# Altium PCB 电解水杯拼版6in1.PcbDoc (part 5 of 9) (continued)
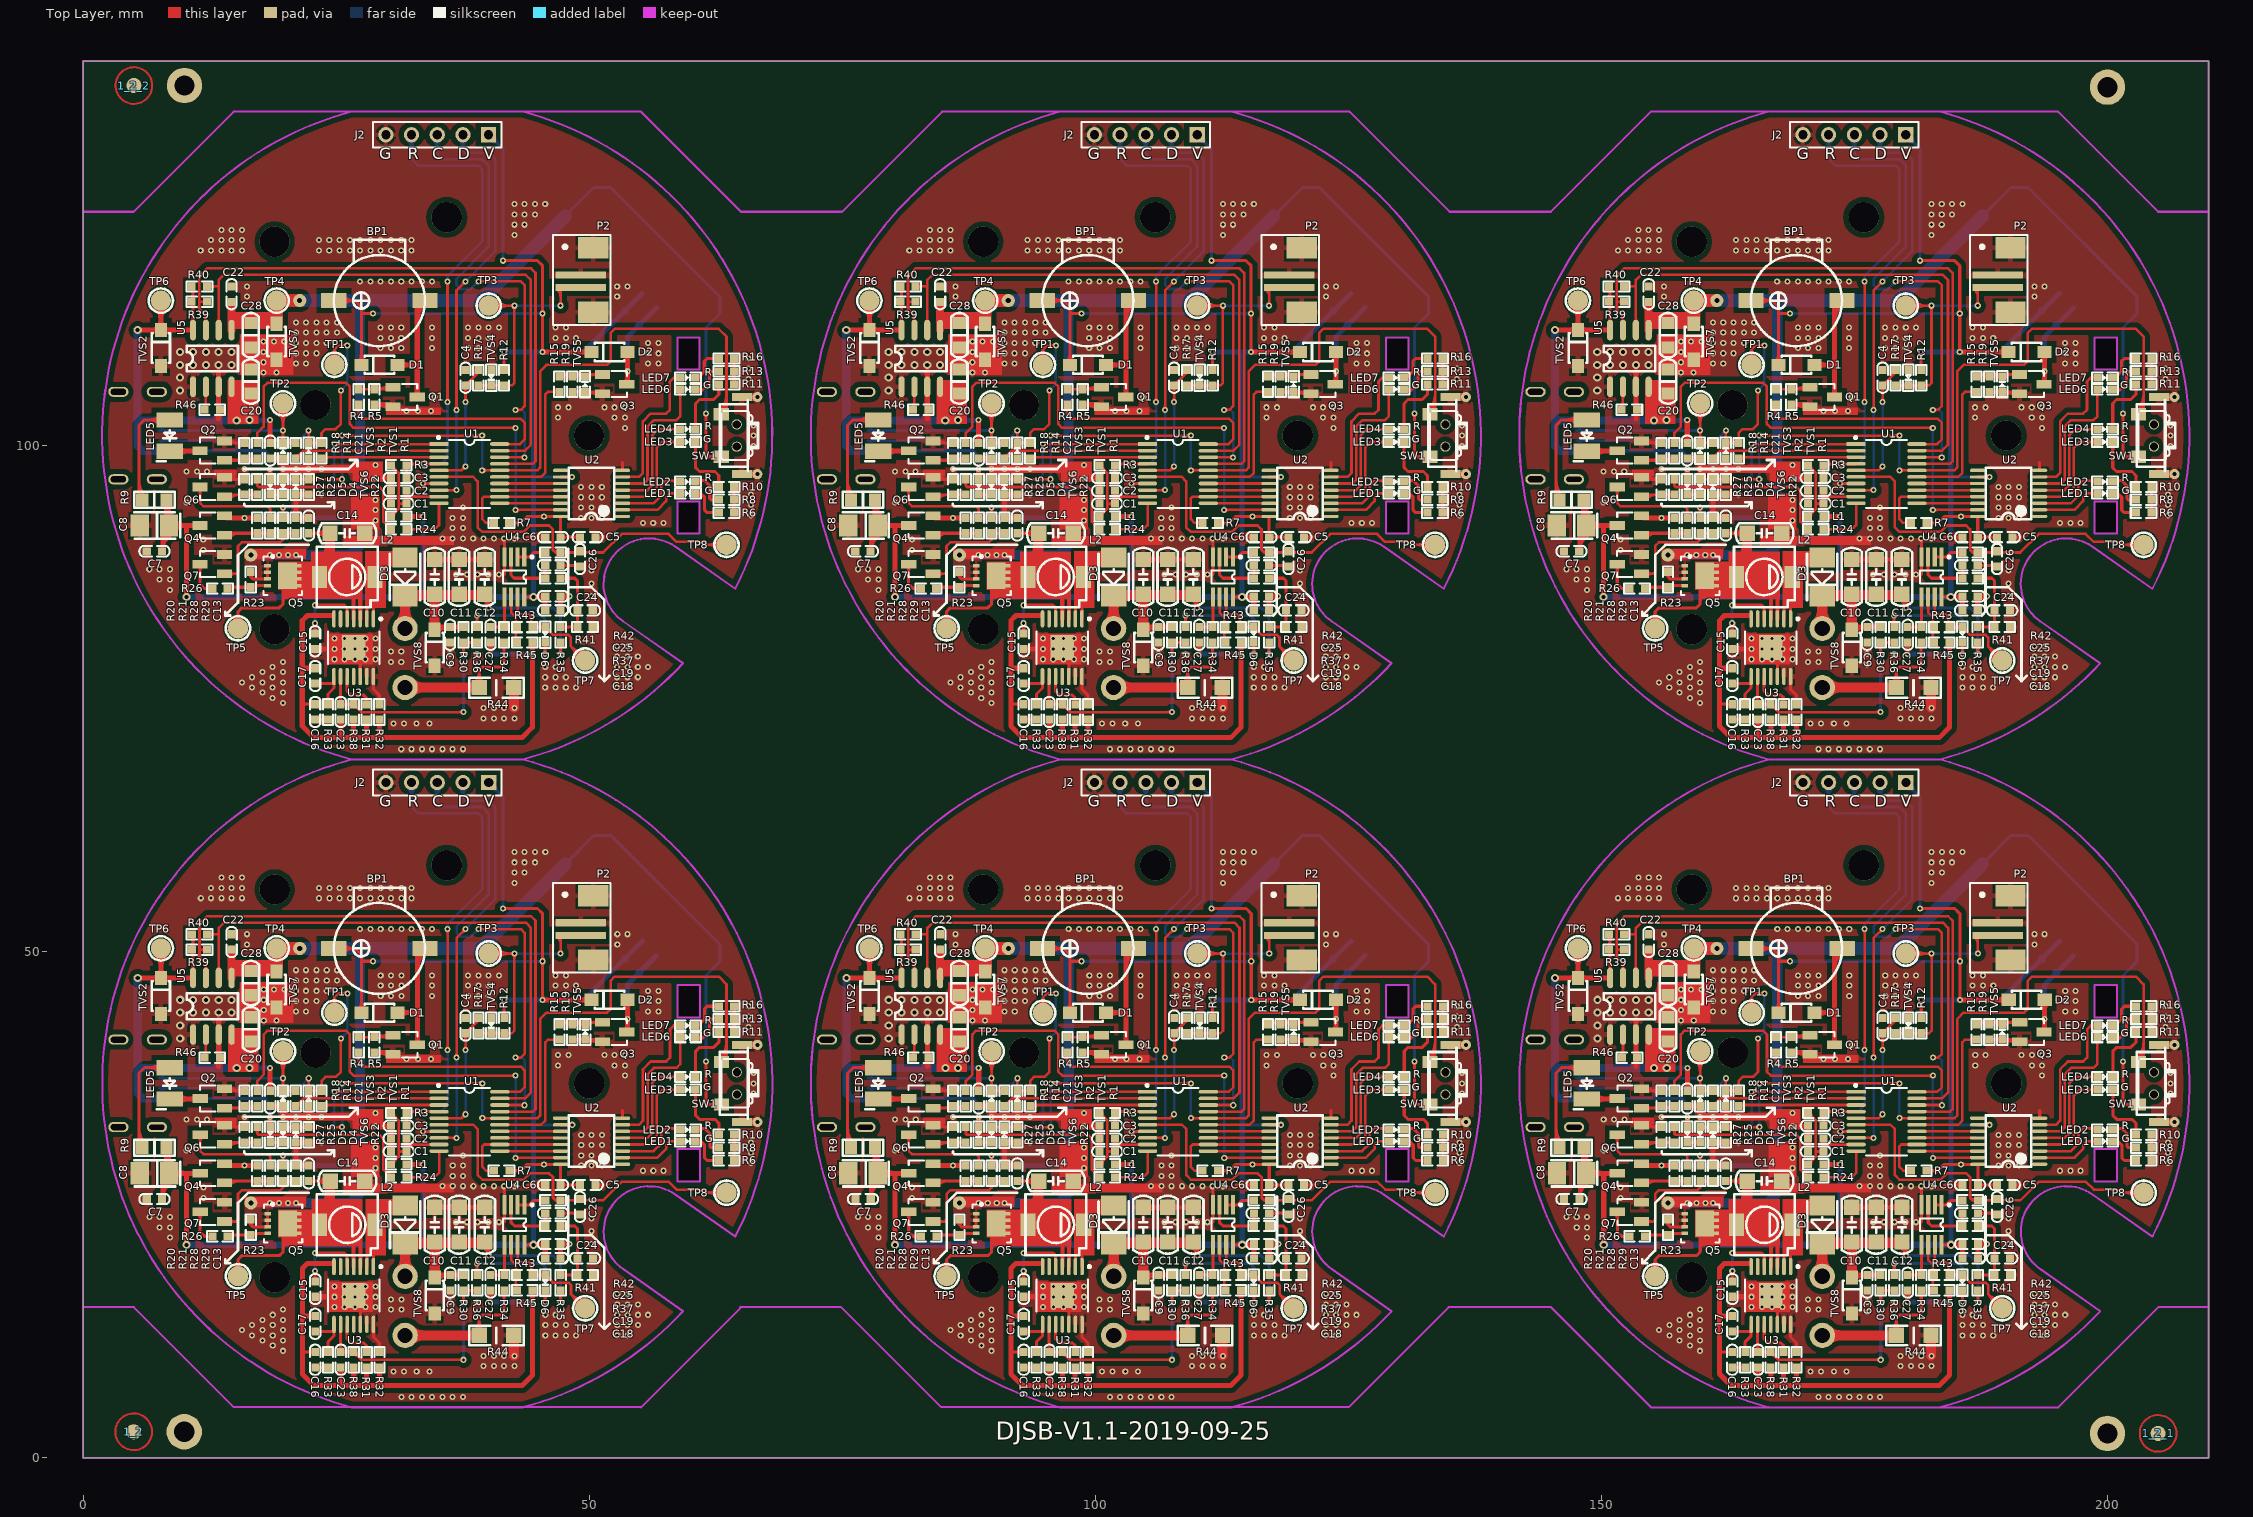
[diagram p0: Top Layer view]
## Nets (pads, with @x,y where several pads share a name; then routed paths per layer and width w, separated by ;. In a path a pad name is that pad's centre, name@x,y a point inside that pad or via, vN(x,y) a via of type N, cw(c..) or ccw(c..) an arc to the next point about the centre after c; other vN are vias at no path point) (continued)
cw(c45.108,15.977) 45.665,15.977 cw(c46.223,15.977) 45.829,16.371 ; 45.502,23.067 ccw(c45.108,23.461) 45.665,23.461 ccw(c46.223,23.461) 45.829,23.067 ; 45.502,24.01 cw(c45.108,23.616) 45.665,23.616 cw(c46.223,23.616) 45.829,24.01 ; v1@45.554,79.517 ccw(c45.298,79.773) 45.66,79.773 ccw(c46.022,79.773) v1@45.766,79.517 ; v1@45.559,15.517 ccw(c45.303,15.773) 45.665,15.773 ccw(c46.027,15.773) v1@45.771,15.517 ; v1@45.639,92.893 cw(c45.895,92.637) 45.895,92.999 cw(c45.895,93.361) v1@45.639,93.105 ; v1@45.645,28.893 cw(c45.901,28.637) 45.901,28.999 cw(c45.901,29.361) v1@45.645,29.105 ; v1(45.66,79.411) 45.66,80.554 ; v1@45.66,92.999 46.803,92.999 ; v1(45.665,15.411) 45.665,16.554 ; v1@45.666,28.999 46.809,28.999 ; 47.02,80.371 cw(c46.626,79.977) 47.184,79.977 cw(c47.742,79.977) 47.347,80.371 ; 47.021,91.131 ccw(c46.626,91.525) 47.184,91.525 ccw(c47.742,91.525) 47.347,91.131 ; 47.026,16.371 cw(c46.632,15.977) 47.189,15.977 cw(c47.747,15.977) 47.353,16.371 ; 47.026,27.131 ccw(c46.632,27.525) 47.19,27.525 ccw(c47.747,27.525) 47.353,27.131 ; v1@47.078,79.517 ccw(c46.822,79.773) 47.184,79.773 ccw(c47.546,79.773) v1@47.29,79.517 ; v1@47.083,15.517 ccw(c46.827,15.773) 47.189,15.773 ccw(c47.551,15.773) v1@47.295,15.517 ; 47.163,96.91 v1(48.327,96.91) ; 47.169,32.91 v1(48.333,32.91) ; v1(47.184,79.411) 47.184,80.554 ; 47.184,82.078 48.835,82.078 48.835,83.729 48.835,86.65 48.581,86.904 47.184,86.904 ; 47.184,88.174 49.216,88.174 ; 47.184,92.999 47.184,90.967 49.089,90.967 ; v1(47.189,15.411) 47.189,16.554 ; 47.189,18.078 48.84,18.078 48.84,19.729 48.84,22.65 48.586,22.904 47.189,22.904 ; 47.189,24.174 49.222,24.174 ; 47.19,28.999 47.19,26.967 49.095,26.967 ; 47.347,81.914 cw(c47.742,81.52) 47.742,82.078 cw(c47.742,82.635) 47.347,82.241 ; 47.353,17.914 cw(c47.747,17.52) 47.747,18.078 cw(c47.747,18.635) 47.353,18.241 ; 47.366,86.74 cw(c47.761,86.346) 47.761,86.904 cw(c47.761,87.461) 47.366,87.067 ; 47.366,88.01 cw(c47.761,87.616) 47.761,88.174 cw(c47.761,88.731) 47.366,88.337 ; 47.366,90.804 cw(c47.76,90.41) 47.76,90.967 cw(c47.761,91.525) 47.366,91.131 ; 47.372,22.74 cw(c47.766,22.346) 47.766,22.904 cw(c47.766,23.461) 47.372,23.067 ; 47.372,24.01 cw(c47.766,23.616) 47.766,24.174 cw(c47.766,24.731) 47.372,24.337 ; 47.372,26.804 cw(c47.766,26.41) 47.766,26.967 ; 47.372,27.131 ccw(c47.767,27.525) 47.767,26.967 ; v1@48.221,96.804 ccw(c47.965,96.548) 47.965,96.91 ccw(c47.965,97.272) v1@48.221,97.016 ; v1@48.226,32.804 ccw(c47.97,32.548) 47.97,32.91 ccw(c47.97,33.272) v1@48.226,33.016 ; 48.269,88.174 cw(c48.269,87.245) 48.926,87.902 ; 48.275,24.174 cw(c48.275,23.245) 48.931,23.902 ; 48.327,105.318 49.597,105.318 51.13,105.318 ; 48.333,41.318 49.603,41.318 51.136,41.318 ; 48.49,105.155 cw(c48.885,104.76) 48.885,105.318 cw(c48.885,105.876) 48.49,105.481 ; 48.496,41.155 cw(c48.89,40.76) 48.89,41.318 cw(c48.89,41.876) 48.496,41.481 ; 48.652,81.914 ccw(c48.258,81.52) 48.258,82.078 ccw(c48.258,82.635) 48.652,82.241 ; 48.658,17.914 ccw(c48.264,17.52) 48.264,18.078 ccw(c48.264,18.635) 48.658,18.241 ; 48.671,82.241 ccw(c48.277,82.635) 48.835,82.635 ccw(c49.393,82.635) 48.998,82.241 ; 48.671,83.565 cw(c48.277,83.171) 48.835,83.171 cw(c49.393,83.171) 48.998,83.565 ; 48.671,83.892 ccw(c48.277,84.286) 48.835,84.286 ccw(c49.393,84.286) 48.998,83.892 ; 48.677,18.241 ccw(c48.283,18.635) 48.84,18.635 ccw(c49.398,18.635) 49.004,18.241 ; 48.677,19.565 cw(c48.283,19.171) 48.84,19.171 cw(c49.398,19.171) 49.004,19.565 ; 48.677,19.892 ccw(c48.283,20.286) 48.84,20.286 ccw(c49.398,20.286) 49.004,19.892 ; 48.907,90.804 ccw(c48.512,90.409) 48.512,90.967 ccw(c48.512,91.525) 48.907,91.13 ; 48.912,26.804 ccw(c48.518,26.409) 48.518,26.967 ccw(c48.518,27.525) 48.912,27.13 ; 49.434,105.155 ccw(c49.039,104.76) 49.039,105.318 ccw(c49.039,105.876) 49.434,105.481 ; 49.439,41.155 ccw(c49.045,40.76) 49.045,41.318 ccw(c49.045,41.876) 49.439,41.481 ; 49.713,105.099 cw(c50.146,104.349) 50.37,105.185 ; 49.718,41.099 cw(c50.151,40.349) 50.375,41.185 ; 49.76,105.155 cw(c50.155,104.76) 50.155,105.318 cw(c50.155,105.876) 49.76,105.481 ; 49.766,41.155 cw(c50.16,40.76) 50.16,41.318 cw(c50.16,41.876) 49.766,41.481 ; 49.875,105.318 cw(c49.875,104.012) 50.799,104.936 ; 49.881,41.318 cw(c49.881,40.012) 50.804,40.936 ; 50.6,105.318 cw(c50.6,104.736) 51.011,105.148 ; 50.605,41.318 cw(c50.605,40.736) 51.016,41.148 ; 50.613,90.967 51.756,90.967 ; 50.619,26.967 51.762,26.967 ; 50.795,90.804 cw(c51.19,90.409) 51.19,90.967 cw(c51.19,91.525) 50.795,91.13 ; 50.801,26.804 cw(c51.195,26.409) 51.195,26.967 cw(c51.195,27.525) 50.801,27.13 ; 53.301,97.56 53.301,98.312 ; 53.307,33.56 53.307,34.312 ; 60.356,100.202 cw(c59.961,99.807) 60.519,99.807 cw(c61.077,99.807) 60.682,100.202 ; 60.356,101.798 ccw(c59.961,102.193) 60.519,102.193 ccw(c61.077,102.193) 60.682,101.798 ; 60.361,36.202 cw(c59.967,35.807) 60.525,35.807 cw(c61.082,35.807) 60.688,36.202 ; 60.361,37.798 ccw(c59.967,38.193) 60.525,38.193 ccw(c61.082,38.193) 60.688,37.798 ; 60.513,95.349 cw(c60.706,94.853) 61.083,95.229 ; 60.519,31.349 cw(c60.711,30.853) 61.088,31.229 ; 60.519,95.285 61.027,95.285 ; 60.519,96.555 61.408,96.555 61.916,96.047 61.916,94.777 62.043,94.65 62.805,94.65 ; 60.519,100.365 60.519,97.825 60.9,97.444 62.424,97.444 62.805,97.063 62.805,95.92 ; 60.519,101.635 60.519,104.175 60.9,104.556 62.297,104.556 62.805,105.064 62.805,106.08 ; 60.519,105.445 61.154,105.445 ; 60.519,106.715 60.768,106.715 61.373,107.32 61.373,108.331 61.662,108.62 62.805,108.62 ; 60.525,31.285 61.033,31.285 ; 60.525,32.555 61.414,32.555 61.922,32.047 61.922,30.777 62.049,30.65 62.811,30.65 ; 60.525,36.365 60.525,33.825 60.906,33.444 62.43,33.444 62.811,33.063 62.811,31.92 ; 60.525,37.635 60.525,40.175 60.906,40.556 62.303,40.556 62.811,41.064 62.811,42.08 ; 60.525,41.445 61.16,41.445 ; 60.525,42.715 60.774,42.715 61.379,43.32 61.379,44.331 61.668,44.62 62.811,44.62 ; 60.622,95.07 cw(c60.888,94.384) 61.408,94.904 ; 60.627,31.07 cw(c60.893,30.384) 61.414,30.904 ; 60.701,96.265 cw(c61.402,95.564) 61.402,96.555 ; 60.707,32.265 cw(c61.408,31.564) 61.408,32.555 ; 60.717,95.138 cw(c61.027,94.883) 61.027,95.285 ; 60.717,95.432 ccw(c61.027,95.687) 61.027,95.285 ; 60.722,31.138 cw(c61.033,30.883) 61.033,31.285 ; 60.722,31.432 ccw(c61.033,31.687) 61.033,31.285 ; 60.739,105.686 ccw(c61.154,105.923) 61.154,105.445 ; 60.744,41.686 ccw(c61.16,41.923) 61.16,41.445 ; v1@61.429,103.053 cw(c61.173,102.797) 61.535,102.797 cw(c61.897,102.797) v1@61.641,103.053 ; v1@61.434,39.053 cw(c61.178,38.797) 61.541,38.797 cw(c61.903,38.797) v1@61.647,39.053 ; v1(61.535,103.159) 61.535,99.222 61.856,98.901 ; v1(61.541,39.159) 61.541,35.222 61.862,34.901 ; 62.583,98.59 ccw(c61.856,97.895) 61.856,98.901 ; 62.583,99.212 cw(c61.856,99.906) 61.856,98.901 ; 62.589,34.59 ccw(c61.862,33.895) 61.862,34.901 ; 62.589,35.212 cw(c61.862,35.906) 61.862,34.901 ; 62.623,93.217 ccw(c62.228,92.822) 62.228,93.38 ccw(c62.228,93.938) 62.623,93.543 ; 62.623,94.487 ccw(c62.228,94.092) 62.228,94.65 ccw(c62.228,95.208) 62.623,94.813 ; 62.623,107.187 ccw(c62.228,106.792) 62.228,107.35 ccw(c62.228,107.908) 62.623,107.513 ; 62.623,108.457 ccw(c62.228,108.062) 62.228,108.62 ccw(c62.228,109.178) 62.623,108.783 ; 62.628,29.217 ccw(c62.234,28.822) 62.234,29.38 ccw(c62.234,29.938) 62.628,29.543 ; 62.628,30.487 ccw(c62.234,30.092) 62.234,30.65 ccw(c62.234,31.208) 62.628,30.813 ; 62.628,43.187 ccw(c62.234,42.792) 62.234,43.35 ccw(c62.234,43.908) 62.628,43.513 ; 62.628,44.457 ccw(c62.234,44.062) 62.234,44.62 ccw(c62.234,45.178) 62.628,44.783 ; 62.642,96.083 ccw(c62.247,96.478) 62.805,96.478 ccw(c63.363,96.478) 62.968,96.083 ; 62.642,105.917 cw(c62.247,105.522) 62.805,105.522 cw(c63.363,105.522) 62.968,105.917 ; 62.647,32.083 ccw(c62.253,32.478) 62.811,32.478 ccw(c63.368,32.478) 62.974,32.083 ; 62.647,41.917 cw(c62.253,41.522) 62.811,41.522 cw(c63.368,41.522) 62.974,41.917 ; 62.805,93.38 61.662,93.38 61.408,93.634 61.408,94.904 ; 62.805,107.35 62.043,107.35 61.873,107.18 61.873,106.164 61.154,105.445 ; 62.811,29.38 61.668,29.38 61.414,29.634 61.414,30.904 ; 62.811,43.35 62.049,43.35 61.879,43.18 61.879,42.164 61.16,41.445 ; 63.059,98.901 61.856,98.901 ; 63.059,103.101 63.382,103.101 63.567,103.286 ; 63.064,34.901 61.862,34.901 ; 63.064,39.101 63.387,39.101 63.573,39.286 ; 64.166,93.543 ccw(c63.771,93.938) 64.329,93.938 ccw(c64.887,93.938) 64.492,93.543 ; 64.166,94.487 cw(c63.771,94.092) 64.329,94.092 cw(c64.887,94.092) 64.492,94.487 ; 64.166,94.813 ccw(c63.771,95.208) 64.329,95.208 ccw(c64.887,95.208) 64.492,94.813 ; 64.166,95.757 cw(c63.771,95.362) 64.329,95.362 cw(c64.887,95.362) 64.492,95.757 ; 64.166,106.243 ccw(c63.771,106.638) 64.329,106.638 ccw(c64.887,106.638) 64.492,106.243 ; 64.166,107.187 cw(c63.771,106.792) 64.329,106.792 cw(c64.887,106.792) 64.492,107.187 ; 64.166,107.513 ccw(c63.771,107.908) 64.329,107.908 ccw(c64.887,107.908) 64.492,107.513 ; 64.166,108.457 cw(c63.771,108.062) 64.329,108.062 cw(c64.887,108.062) 64.492,108.457 ; 64.171,29.543 ccw(c63.777,29.938) 64.335,29.938 ccw(c64.892,29.938) 64.498,29.543 ; 64.171,30.487 cw(c63.777,30.092) 64.335,30.092 cw(c64.892,30.092) 64.498,30.487 ; 64.171,30.813 ccw(c63.777,31.208) 64.335,31.208 ccw(c64.892,31.208) 64.498,30.813 ; 64.171,31.757 cw(c63.777,31.362) 64.335,31.362 cw(c64.892,31.362) 64.498,31.757 ; 64.171,42.243 ccw(c63.777,42.638) 64.335,42.638 ccw(c64.892,42.638) 64.498,42.243 ; 64.171,43.187 cw(c63.777,42.792) 64.335,42.792 cw(c64.892,42.792) 64.498,43.187 ; 64.171,43.513 ccw(c63.777,43.908) 64.335,43.908 ccw(c64.892,43.908) 64.498,43.513 ; 64.171,44.457 cw(c63.777,44.062) 64.335,44.062 cw(c64.892,44.062) 64.498,44.457 ; 64.329,93.38 64.329,94.65 64.329,95.92 ; 64.329,106.08 64.329,107.35 64.329,108.62 ; 64.335,29.38 64.335,30.65 64.335,31.92 ; 64.335,42.08 64.335,43.35 64.335,44.62 ; 75.528,95.829 ccw(c76.996,95.829) 75.958,94.791 ; 75.528,96.554 ccw(c77.721,96.554) 76.17,95.003 ; 75.534,31.829 ccw(c77.002,31.829) 75.964,30.791 ; 75.534,32.554 ccw(c77.726,32.554) 76.176,31.003 ; 75.852,94.65 75.528,94.974 75.528,102.016 76.062,102.55 78.554,102.55 ; 75.858,30.65 75.534,30.974 75.534,38.016 76.068,38.55 78.559,38.55 ; 77.58,102.126 ccw(c76.555,101.101) 76.555,102.55 ccw(c76.555,103.999) 77.58,102.974 ; 77.585,38.126 ccw(c76.561,37.101) 76.561,38.55 ccw(c76.561,39.999) 77.585,38.974 ; 77.651,89.733 ccw(c77.256,90.128) 77.814,90.128 ccw(c78.372,90.128) 77.977,89.733 ; 77.656,25.733 ccw(c77.262,26.128) 77.82,26.128 ccw(c78.377,26.128) 77.983,25.733 ; 77.814,89.471 cw(c79.851,89.471) 78.865,91.254 ; 77.814,89.57 77.814,91.422 ; 77.814,89.98 cw(c79.57,89.98) 78.72,91.516 ; 77.814,90.489 cw(c79.288,90.489) 78.575,91.779 ; 77.814,90.998 cw(c79.007,90.998) 78.429,92.041 ; 77.82,25.471 cw(c79.857,25.471) 78.871,27.254 ; 77.82,25.57 77.82,27.422 ; 77.82,25.98 cw(c79.575,25.98) 78.725,27.516 ; 77.82,26.489 cw(c79.294,26.489) 78.58,27.779 ; 77.82,26.998 cw(c79.012,26.998) 78.435,28.041 ; 80.591,114.045 cw(c79.936,113.39) 80.862,113.39 ; 80.591,114.371 ccw(c79.936,115.026) 80.862,115.026 ; 80.591,115.569 cw(c79.936,114.914) 80.862,114.914 ; 80.596,50.045 cw(c79.941,49.39) 80.868,49.39 ; 80.596,50.371 ccw(c79.941,51.026) 80.868,51.026 ; 80.596,51.569 cw(c79.941,50.914) 80.868,50.914 ; 80.753,112.235 ccw(c80.488,112.499) 80.862,112.499 ccw(c81.236,112.499) 80.972,112.235 ; 80.758,48.235 ccw(c80.494,48.499) 80.868,48.499 ccw(c81.241,48.499) 80.977,48.235 ; 80.862,111.414 80.862,115.605 ; 80.868,47.414 80.868,51.605 ; 81.373,88.106 cw(c80.903,87.636) 81.567,87.636 cw(c82.231,87.636) 81.762,88.106 ; 81.378,24.106 cw(c80.909,23.636) 81.573,23.636 cw(c82.236,23.636) 81.767,24.106 ; 81.567,88.3 81.567,86.325 82.005,85.887 82.767,85.887 ; 81.573,24.3 81.573,22.325 82.011,21.887 82.773,21.887 ; 82.585,85.724 ccw(c82.19,85.329) 82.19,85.887 ccw(c82.19,86.445) 82.585,86.05 ; 82.59,21.724 ccw(c82.196,21.329) 82.196,21.887 ccw(c82.196,22.445) 82.59,22.05 ; 83.967,98.561 87.024,98.561 ; 83.973,34.561 87.03,34.561 ; 84.154,96.683 85.942,96.683 ; 84.155,91.348 87.212,91.348 88.482,91.348 ; 84.155,100.273 85.942,100.273 ; 84.161,27.348 87.218,27.348 88.488,27.348 ; 84.16,32.683 85.947,32.683 ; 84.161,36.273 85.948,36.273 ; 84.274,96.852 ccw(c84.684,97.262) 84.684,96.683 ; 84.274,100.443 ccw(c84.686,100.855) 84.686,100.273 ; 84.277,91.182 cw(c84.678,90.78) 84.678,91.348 ; 84.28,32.852 ccw(c84.689,33.262) 84.689,32.683 ; 84.28,36.443 ccw(c84.691,36.855) 84.691,36.273 ; 84.282,27.182 cw(c84.684,26.78) 84.684,27.348 ; 84.291,86.014 86.577,86.014 ; 84.297,22.014 86.583,22.014 ; 84.473,85.724 cw(c85.174,85.023) 85.174,86.014 ; 84.479,21.724 cw(c85.18,21.023) 85.18,22.014 ; 84.487,97.064 ccw(c85.408,97.986) 85.408,96.683 ; 84.487,98.367 cw(c84.956,97.897) 84.956,98.561 cw(c84.956,99.225) 84.487,98.755 ; 84.487,100.655 ccw(c85.41,101.579) 85.41,100.273 ; 84.489,90.97 cw(c85.403,90.056) 85.403,91.348 ; 84.492,33.064 ccw(c85.414,33.986) 85.414,32.683 ; 84.492,34.367 cw(c84.961,33.897) 84.961,34.561 cw(c84.961,35.225) 84.492,34.755 ; 84.492,36.655 ccw(c85.415,37.579) 85.415,36.273 ; 84.494,26.97 cw(c85.408,26.056) 85.408,27.348 ; 84.813,82.642 ccw(c84.129,83.601) 85.307,83.601 ccw(c86.485,83.601) 85.801,82.642 ; 84.819,18.642 ccw(c84.134,19.601) 85.313,19.601 ; 84.976,98.561 ccw(c84.976,99.696) 85.779,98.893 ; 84.982,34.561 ccw(c84.982,35.696) 85.784,34.893 ; 84.988,82.398 ccw(c84.545,83.018) 85.307,83.018 ccw(c86.069,83.018) 85.627,82.398 ; 84.993,18.398 ccw(c84.55,19.018) 85.313,19.018 ccw(c86.075,19.018) 85.632,18.398 ; 85.307,81.95 85.307,83.601 85.688,83.982 89.391,83.982 89.752,84.343 89.752,86.268 90.202,86.718 90.202,87.157 ; 85.313,17.95 85.313,19.601 ; 85.778,96.519 ccw(c85.384,96.125) 85.384,96.683 ccw(c85.384,97.24) 85.778,96.846 ; 85.779,100.11 ccw(c85.384,99.715) 85.384,100.273 ccw(c85.384,100.831) 85.779,100.436 ; 85.784,32.519 ccw(c85.39,32.125) 85.39,32.683 ccw(c85.39,33.24) 85.784,32.846 ; 85.784,36.11 ccw(c85.39,35.715) 85.39,36.273 ccw(c85.39,36.831) 85.784,36.436 ; 85.806,18.642 cw(c86.491,19.601) 85.313,19.601 ; 86.105,98.893 ccw(c86.908,99.696) 86.908,98.561 ; 86.111,34.893 ccw(c86.913,35.696) 86.913,34.561 ; 86.246,98.561 ccw(c86.246,99.696) 87.049,98.893 ; 86.252,34.561 ccw(c86.252,35.696) 87.054,34.893 ; 86.414,85.851 ccw(c86.019,85.456) 86.019,86.014 ccw(c86.019,86.572) 86.414,86.177 ; 86.419,21.851 ccw(c86.025,21.456) 86.025,22.014 ccw(c86.025,22.572) 86.419,22.177 ; 86.43,87.341 cw(c86.175,87.03) 86.577,87.03 ; 86.436,23.341 cw(c86.18,23.03) 86.583,23.03 ; 86.524,87.564 ccw(c86.807,87.324) 86.545,87.062 ; 86.53,23.564 ccw(c86.812,23.324) 86.55,23.062 ; 86.536,86.182 88.227,86.182 ; 86.542,22.182 88.233,22.182 ; 86.577,87.538 86.577,87.03 ; 86.583,23.538 86.583,23.03 ; 86.724,87.341 ccw(c86.979,87.03) 86.577,87.03 ; 86.729,23.341 ccw(c86.985,23.03) 86.583,23.03 ; 86.74,85.87 cw(c87.494,85.116) 87.494,86.182 ; 86.746,21.87 cw(c87.5,21.116) 87.5,22.182 ; 86.753,87.369 ccw(c87.056,87.113) 86.775,86.832 ; 86.759,23.369 ccw(c87.061,23.113) 86.781,22.832 ; 87.049,91.185 ccw(c86.654,90.79) 86.654,91.348 ccw(c86.654,91.906) 87.049,91.511 ; 87.054,27.185 ccw(c86.66,26.79) 86.66,27.348 ccw(c86.66,27.906) 87.054,27.511 ; 87.375,91.185 cw(c87.77,90.79) 87.77,91.348 cw(c87.77,91.906) 87.375,91.511 ; 87.381,27.185 cw(c87.775,26.79) 87.775,27.348 cw(c87.775,27.906) 87.381,27.511 ; 88.227,88.132 88.227,87.482 88.227,86.832 86.775,86.832 ; 88.233,24.132 88.233,23.482 88.233,22.832 86.781,22.832 ; 88.319,91.185 ccw(c87.924,90.79) 87.924,91.348 ccw(c87.924,91.906) 88.319,91.511 ; 88.324,27.185 ccw(c87.93,26.79) 87.93,27.348 ccw(c87.93,27.906) 88.324,27.511 ; 89.752,84.302 cw(c92.102,84.302) 90.671,86.166 ; 89.752,84.911 cw(c91.635,84.911) 90.488,86.404 ; 89.752,85.519 cw(c91.168,85.519) 90.306,86.642 ; 89.758,20.302 cw(c92.107,20.302) 90.676,22.166 ; 89.758,20.911 cw(c91.64,20.911) 90.494,22.404 ; 89.758,21.519 cw(c91.173,21.519) 90.311,22.642 ; 90.208,23.157 90.208,22.718 89.758,22.268 89.758,20.343 89.396,19.982 85.694,19.982 85.313,19.601 ; 91.277,86.832 93.153,86.832 ; 91.283,22.832 93.159,22.832 ; 91.538,86.832 cw(c91.538,84.867) 92.928,86.256 ; 91.543,22.832 cw(c91.543,20.867) 92.933,22.256 ; 91.657,74.458 92.927,74.458 ; 91.662,10.458 92.932,10.458 ; 92.262,86.832 cw(c92.262,85.591) 93.14,86.469 ; 92.268,22.832 cw(c92.268,21.591) 93.145,22.469 ; 92.269,86.832 ccw(c92.269,87.764) 92.928,87.105 ; 92.274,22.832 ccw(c92.274,23.764) 92.933,23.105 ; 92.292,91.348 94.4,91.348 ; 92.298,27.348 94.406,27.348 ; 92.455,91.185 cw(c92.85,90.79) 92.85,91.348 cw(c92.85,91.906) 92.455,91.511 ; 92.461,27.185 cw(c92.855,26.79) 92.855,27.348 cw(c92.855,27.906) 92.461,27.511 ; 92.763,74.294 ccw(c92.369,73.9) 92.369,74.458 ccw(c92.369,75.015) 92.763,74.621 ; 92.764,81.624 ccw(c92.369,82.019) 92.927,82.019 ccw(c93.485,82.019) 93.09,81.624 ; 92.769,10.294 ccw(c92.375,9.9) 92.375,10.458 ccw(c92.375,11.015) 92.769,10.621 ; 92.769,17.624 ccw(c92.375,18.019) 92.933,18.019 ccw(c93.49,18.019) 93.096,17.624 ; v1@92.821,82.352 cw(c92.565,82.096) 92.927,82.096 cw(c93.289,82.096) v1@93.033,82.352 ; v1@92.826,18.352 cw(c92.57,18.096) 92.933,18.096 cw(c93.295,18.096) v1@93.039,18.352 ; 92.927,72.934 94.197,72.934 ; 92.927,76.489 94.787,76.489 ; 92.927,81.442 v1(92.927,82.458) ; v1(92.927,84.236) 95.833,84.236 96.087,83.982 96.087,82.896 ; 92.932,8.934 94.202,8.934 ; 92.933,12.489 94.792,12.489 ; 92.933,17.442 v1(92.933,18.458) ; v1(92.933,20.236) 95.838,20.236 96.092,19.982 96.092,18.896 ; v1@93.033,84.13 cw(c93.289,83.874) 93.289,84.236 cw(c93.289,84.598) v1@93.033,84.342 ; v1@93.039,20.13 cw(c93.295,19.874) 93.295,20.236 cw(c93.295,20.598) v1@93.039,20.342 ; 93.09,72.77 cw(c93.485,72.376) 93.485,72.934 cw(c93.485,73.491) 93.09,73.097 ; 93.09,76.326 cw(c93.485,75.931) 93.485,76.489 cw(c93.485,77.047) 93.09,76.652 ; 93.096,8.77 cw(c93.49,8.376) 93.49,8.934 cw(c93.49,9.491) 93.096,9.097 ; 93.096,12.326 cw(c93.49,11.931) 93.49,12.489 cw(c93.49,13.047) 93.096,12.652 ; 93.968,90.915 ccw(c92.923,89.87) 92.923,91.348 ccw(c92.923,92.825) 93.968,91.781 ; 93.973,26.915 ccw(c92.928,25.87) 92.928,27.348 ccw(c92.928,28.825) 93.973,27.781 ; 94.033,72.77 ccw(c93.639,72.376) 93.639,72.934 ccw(c93.639,73.491) 94.033,73.097 ; 94.033,74.64 ccw(c93.639,75.034) 94.197,75.034 ccw(c94.755,75.034) 94.36,74.64 ; 94.039,8.77 ccw(c93.645,8.376) 93.645,8.934 ccw(c93.645,9.491) 94.039,9.097 ; 94.039,10.64 ccw(c93.645,11.034) 94.202,11.034 ccw(c94.76,11.034) 94.366,10.64 ; 94.197,74.458 94.197,75.473 94.787,76.063 94.787,77.196 ; 94.202,10.458 94.202,11.473 94.792,12.063 94.792,13.196 ; 94.777,114.335 96.864,114.335 97.499,113.7 97.499,113.065 ; 94.783,50.335 96.87,50.335 97.505,49.7 97.505,49.065 ; 95.303,74.64 ccw(c94.982,74.962) 95.437,74.962 ; 95.309,10.64 ccw(c94.987,10.962) 95.442,10.962 ; 95.437,75.107 ccw(c96.097,75.107) 95.63,74.64 ; 95.437,77.196 95.437,74.488 95.467,74.458 96.737,74.458 ; 95.442,11.107 ccw(c96.102,11.107) 95.636,10.64 ; 95.442,13.196 95.442,10.488 95.472,10.458 96.742,10.458 ; 95.63,74.294 cw(c96.025,73.9) 96.025,74.458 cw(c96.025,75.015) 95.63,74.621 ; 95.636,10.294 cw(c96.03,9.9) 96.03,10.458 cw(c96.03,11.015) 95.636,10.621 ; 95.701,113.911 cw(c96.726,112.886) 96.726,114.335 cw(c96.726,115.784) 95.701,114.759 ; 95.707,49.911 cw(c96.731,48.886) 96.731,50.335 cw(c96.731,51.784) 95.707,50.759 ; 96.087,77.196 96.087,75.742 96.475,75.354 97.745,75.354 98.007,75.092 98.007,74.446 ; 96.092,13.196 96.092,11.742 96.481,11.354 97.751,11.354 98.013,11.092 98.013,10.446 ; 96.573,74.294 ccw(c96.179,73.9) 96.179,74.458 ccw(c96.179,75.015) 96.573,74.621 ; 96.579,10.294 ccw(c96.185,9.9) 96.185,10.458 ccw(c96.185,11.015) 96.579,10.621 ; 97.181,108.303 ccw(c96.413,109.071) 97.499,109.071 ccw(c98.585,109.071) 97.817,108.303 ; 97.186,44.303 ccw(c96.418,45.071) 97.505,45.071 ccw(c98.591,45.071) 97.823,44.303 ; 97.387,77.196 97.387,79.396 ; 97.392,13.196 97.392,15.396 ; 97.499,107.985 97.499,113.065 ; 97.505,43.985 97.505,49.065 ; 97.846,74.628 ccw(c97.458,75.016) 98.007,75.016 ; 97.852,10.628 ccw(c97.463,11.016) 98.013,11.016 ; 98.007,75.028 ccw(c98.573,75.028) 98.173,74.628 ; 98.013,11.028 ccw(c98.579,11.028) 98.178,10.628 ; 98.037,82.896 98.037,85.731 98.037,88.458 98.388,88.809 101.055,88.809 ; 98.042,18.896 98.042,21.731 98.042,24.458 98.393,24.809 101.06,24.809 ; 98.428,86.256 cw(c97.802,85.63) 98.687,85.63 ; 98.433,22.256 cw(c97.807,21.63) 98.692,21.63 ; v1@98.536,112.959 ccw(c98.28,112.703) 98.28,113.065 ccw(c98.28,113.427) v1@98.536,113.171 ; v1@98.541,48.959 ccw(c98.285,48.703) 98.285,49.065 ccw(c98.285,49.427) v1@98.541,49.171 ; v1(98.642,113.065) 97.499,113.065 ; v1(98.648,49.065) 97.505,49.065 ; 98.687,77.196 98.687,75.937 99.277,75.347 99.277,74.458 ; 98.687,82.896 98.687,86.381 ; 98.687,84.834 cw(c100.699,84.834) 99.276,86.256 ; 98.687,85.558 cw(c99.974,85.558) 99.064,86.469 ; 98.692,13.196 98.692,11.937 99.282,11.347 99.282,10.458 ; 98.692,18.896 98.692,22.381 ; 98.692,20.834 cw(c100.704,20.834) 99.282,22.256 ; 98.692,21.558 cw(c99.98,21.558) 99.069,22.469 ; 99.113,74.64 ccw(c98.719,75.034) 99.277,75.034 ccw(c99.835,75.034) 99.44,74.64 ; 99.119,10.64 ccw(c98.725,11.034) 99.282,11.034 ccw(c99.84,11.034) 99.446,10.64 ; 99.186,88.809 ccw(c99.186,91.326) 100.966,89.546 ; 99.191,24.809 ccw(c99.191,27.326) 100.971,25.546 ; 99.844,88.809 cw(c99.844,87.222) 100.966,88.344 ; 99.85,24.809 cw(c99.85,23.222) 100.971,24.344 ; 99.91,88.809 ccw(c99.91,90.602) 101.178,89.334 ; 99.916,24.809 ccw(c99.916,26.602) 101.184,25.334 ; 100.568,88.809 cw(c100.568,87.946) 101.178,88.556 ; 100.574,24.809 cw(c100.574,23.946) 101.184,24.556 ; 101.781,96.972 ccw(c101.386,97.367) 101.944,97.367 ccw(c102.502,97.367) 102.107,96.972 ; 101.781,97.916 cw(c101.386,97.521) 101.944,97.521 cw(c102.502,97.521) 102.107,97.916 ; 101.786,32.972 ccw(c101.392,33.367) 101.95,33.367 ccw(c102.507,33.367) 102.113,32.972 ; 101.786,33.916 cw(c101.392,33.521) 101.95,33.521 cw(c102.507,33.521) 102.113,33.916 ; 101.944,96.809 101.944,98.079 ; 101.95,32.809 101.95,34.079 ; 102.013,94.962 105.167,94.962 ; 102.019,30.962 105.173,30.962 ; 102.077,98.212 v1(103.622,98.212) 105.167,98.212 ; 102.082,34.212 v1(103.627,34.212) 105.173,34.212 ; 102.126,97.916 cw(c102.841,97.201) 102.841,98.212 ; 102.132,33.916 cw(c102.847,33.201) 102.847,34.212 ; v1@103.516,98.106 ccw(c103.26,97.85) 103.26,98.212 ccw(c103.26,98.574) v1@103.516,98.318 ; v1@103.521,34.106 ccw(c103.265,33.85) 103.265,34.212 ccw(c103.265,34.574) v1@103.521,34.318 ; v1(103.595,96.262) 105.167,96.262 ; v1(103.601,32.262) 105.173,32.262 ; v1@103.701,96.156 cw(c103.957,95.9) 103.957,96.262 cw(c103.957,96.624) v1@103.701,96.368 ; v1@103.707,32.156 cw(c103.963,31.9) 103.963,32.262 cw(c103.963,32.624) v1@103.707,32.368 ; v1@103.728,98.106 cw(c103.984,97.85) 103.984,98.212 cw(c103.984,98.574) v1@103.728,98.318 ; v1@103.733,34.106 cw(c103.99,33.85) 103.99,34.212 cw(c103.99,34.574) v1@103.733,34.318 ; 104.738,88.757 107.151,88.757 109.691,88.757 ; 104.744,24.757 107.157,24.757 109.697,24.757 ; 105.171,88.324 cw(c106.216,87.28) 106.216,88.757 cw(c106.216,90.235) 105.171,89.19 ; 105.176,24.324 cw(c106.221,23.28) 106.221,24.757 cw(c106.221,26.235) 105.176,25.19 ; 106.718,88.324 ccw(c105.674,87.28) 105.674,88.757 ccw(c105.674,90.235) 106.718,89.19 ; 106.724,24.324 ccw(c105.679,23.28) 105.679,24.757 ccw(c105.679,26.235) 106.724,25.19 ; 107.422,80.375 cw(c107.003,79.956) 107.596,79.956 ; 107.427,16.375 cw(c107.008,15.956) 107.601,15.956 ; v1@107.49,79.516 ccw(c107.233,79.772) 107.596,79.772 ccw(c107.958,79.772) v1@107.702,79.516 ; v1@107.495,15.516 ccw(c107.239,15.772) 107.601,15.772 ccw(c107.963,15.772) v1@107.707,15.516 ; 107.584,88.324 cw(c108.629,87.28) 108.629,88.757 cw(c108.629,90.235) 107.584,89.19 ; 107.589,24.324 cw(c108.634,23.28) 108.634,24.757 cw(c108.634,26.235) 107.589,25.19 ; v1(107.596,79.41) 107.596,80.553 108.929,80.553 ; 107.596,80.005 cw(c108.118,80.005) 107.749,80.375 ; v1(107.601,15.41) 107.601,16.553 108.935,16.553 ; 107.601,16.005 cw(c108.124,16.005) 107.754,16.375 ; 107.749,80.394 cw(c108.133,80.009) 108.133,80.553 ; 107.749,80.72 ccw(c108.153,81.124) 108.153,80.553 ; 107.754,16.394 cw(c108.139,16.009) 108.139,16.553 ; 107.754,16.72 ccw(c108.158,17.124) 108.158,16.553 ; 108.7,76.541 ccw(c107.655,77.585) 109.132,77.585 ccw(c110.61,77.585) 109.565,76.541 ; 108.705,12.541 ccw(c107.66,13.585) 109.138,13.585 ccw(c110.615,13.585) 109.57,12.541 ; 108.766,80.39 ccw(c108.371,79.995) 108.371,80.553 ccw(c108.371,81.111) 108.766,80.716 ; 108.766,82.259 ccw(c108.371,82.654) 108.929,82.654 ccw(c109.487,82.654) 109.092,82.259 ; 108.771,16.39 ccw(c108.377,15.995) 108.377,16.553 ccw(c108.377,17.111) 108.771,16.716 ; 108.771,18.259 ccw(c108.377,18.654) 108.935,18.654 ccw(c109.492,18.654) 109.098,18.259 ; v1@108.823,83.114 cw(c108.567,82.858) 108.929,82.858 cw(c109.291,82.858) v1@109.035,83.114 ; v1@108.828,19.114 cw(c108.572,18.858) 108.935,18.858 cw(c109.297,18.858) v1@109.041,19.114 ; 108.929,82.077 v1(108.929,83.22) ; 108.935,18.077 v1(108.935,19.22) ; 109.132,76.108 109.132,77.835 109.437,78.14 111.342,78.14 111.596,78.394 111.596,80.553 ; 109.138,12.108 109.138,13.835 109.443,14.14 111.348,14.14 111.602,14.394 111.602,16.553 ; 109.258,88.324 ccw(c108.214,87.28) 108.214,88.757 ccw(c108.214,90.235) 109.258,89.19 ; 109.264,24.324 ccw(c108.219,23.28) 108.219,24.757 ccw(c108.219,26.235) 109.264,25.19 ; 109.489,84.75 cw(c109.202,83.929) v1@110.072,83.929 ; 109.495,20.75 cw(c109.208,19.929) v1@110.078,19.929 ; 109.588,85.034 cw(c109.35,84.352) 110.072,84.352 ; 109.594,21.034 cw(c109.355,20.352) 110.078,20.352 ; v1@109.942,84.057 ccw(c109.669,84.215) 109.974,84.296 ; v1@109.948,20.057 ccw(c109.674,20.215) 109.979,20.296 ; 109.957,84.36 ccw(c110.351,84.466) v1@110.147,84.112 ; 109.962,20.36 ccw(c110.357,20.466) v1@110.153,20.112 ; v1@109.966,84.088 ccw(c109.71,84.344) 110.072,84.344 ccw(c110.434,84.344) v1@110.178,84.088 ; v1@109.971,20.088 ccw(c109.715,20.344) 110.078,20.344 ccw(c110.44,20.344) v1@110.184,20.088 ; v1(110.072,83.982) 110.072,84.947 ; v1(110.078,19.982) 110.078,20.947 ; 110.426,81.914 cw(c110.822,81.518) 110.822,82.078 ; 110.426,82.24 ccw(c110.819,82.633) 110.819,82.078 ; 110.431,17.914 cw(c110.827,17.518) 110.827,18.078 ; 110.431,18.24 ccw(c110.824,18.633) 110.824,18.078 ; 110.453,82.078 111.637,82.078 ; 110.459,18.078 111.643,18.078 ; 111.037,82.078 cw(c111.037,81.518) 111.433,81.914 ; 111.04,82.078 ccw(c111.04,82.633) 111.433,82.24 ; 111.042,18.078 cw(c111.042,17.518) 111.438,17.914 ; 111.045,18.078 ccw(c111.045,18.633) 111.438,18.24 ; 111.433,80.371 cw(c111.038,79.976) 111.596,79.976 cw(c112.154,79.976) 111.759,80.371 ; 111.433,82.259 ccw(c110.939,82.753) 111.637,82.753 ; 111.433,107.659 ccw(c111.038,108.054) 111.596,108.054 ccw(c112.154,108.054) 111.759,107.659 ; 111.438,16.371 cw(c111.044,15.976) 111.602,15.976 cw(c112.159,15.976) 111.765,16.371 ; 111.438,18.259 ccw(c110.945,18.753) 111.643,18.753 ; 111.438,43.659 ccw(c111.044,44.054) 111.602,44.054 ccw(c112.159,44.054) 111.765,43.659 ; v1(111.469,118.272) 114.898,118.272 115.406,117.764 v1(115.406,113.065) v1(115.406,109.255) ; v1(111.475,54.272) 114.904,54.272 115.412,53.764 v1(115.412,49.065) v1(115.412,45.255) ; v1@111.49,90.734 cw(c111.135,90.379) 111.637,90.379 ; v1@111.49,109.149 cw(c111.234,108.893) 111.596,108.893 cw(c111.958,108.893) v1@111.702,109.149 ; v1@111.495,26.734 cw(c111.14,26.379) 111.643,26.379 ; v1@111.495,45.149 cw(c111.239,44.893) 111.602,44.893 cw(c111.964,44.893) v1@111.708,45.149 ; v1@111.575,118.166 cw(c111.831,117.91) 111.831,118.272 cw(c111.831,118.634) v1@111.575,118.378 ; v1@111.581,54.166 cw(c111.837,53.91) 111.837,54.272 cw(c111.837,54.634) v1@111.581,54.378 ; 111.596,107.477 v1(111.596,109.255) ; 111.602,43.477 v1(111.602,45.255) ; 111.637,82.118 111.637,83.135 111.637,85.055 ; 111.637,82.555 ccw(c112.055,82.555) 111.759,82.259 ; 111.637,87.284 111.637,89.005 v1@111.637,90.627 ; 111.643,18.118 111.643,19.135 111.643,21.055 ; 111.643,18.555 ccw(c112.06,18.555) 111.765,18.259 ; 111.643,23.284 111.643,25.005 v1@111.643,26.627 ; 112.107,92.368 113.25,92.368 113.881,92.999 v1(115.533,92.999) ; 112.112,28.368 113.255,28.368 113.886,28.999 v1(115.539,28.999)